# Altium PCB A8_multiple.PcbDoc (part 10 of 10)
Units mm, origin at the board's own origin, x right, y up, seen from the top; angles counter-clockwise.
Board outline 140 x 140 mm, 2 copper layers (Top Layer, Bottom Layer); 80 components, 0 nets, 928 pads, 160 vias.
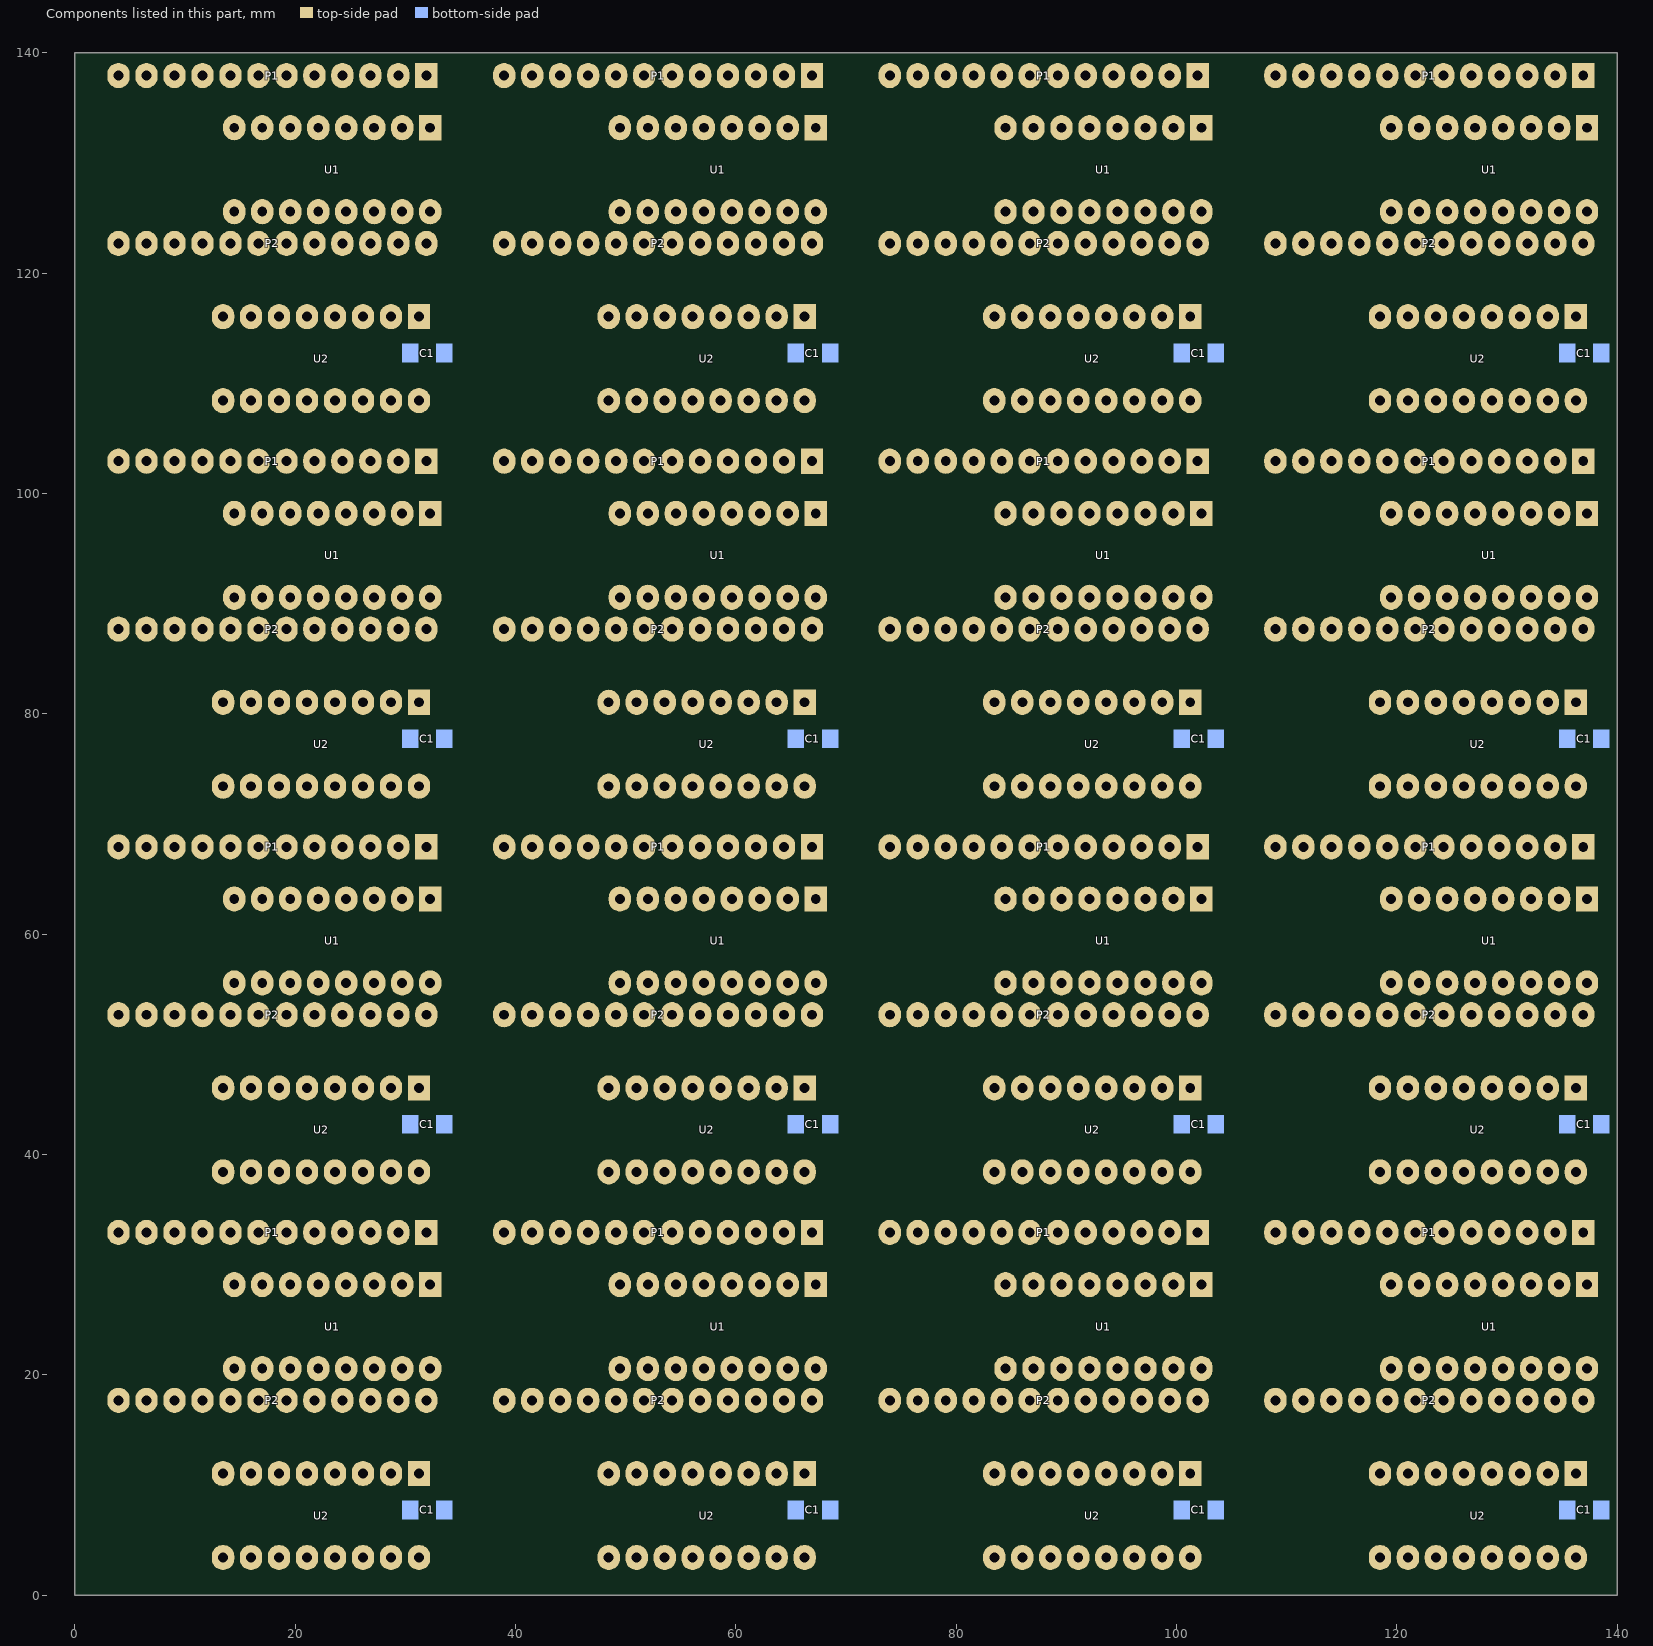
[diagram p10: the components of this part, seen from the top]

## Polygon pours and split planes (outlines as drawn) (continued)
no net on Bottom Layer "Top Layer-No Net 1" (solid, pour order 116): 70.686,7.417 70.686,20.549 70.914,20.777 70.965,20.726 70.965,19.71 70.965,6.782 71.092,6.655
no net on Bottom Layer "Top Layer-No Net 1" (solid, pour order 114): 77.442,0.686 76.731,0.686 75.817,1.6 70.686,6.731 70.686,7.417 71.041,7.417 72.235,6.223 77.493,0.965 77.645,0.965
no net on Bottom Layer "Top Layer-No Net 1" (solid, pour order 112): 91.082,28.143 91.082,28.829 91.641,29.388 91.819,29.566 91.819,29.794 91.819,31.953 91.539,32.233 92.504,31.267 92.504,30.836 92.581,30.759 92.581,28.143
no net on Bottom Layer "Top Layer-No Net 1" (solid, pour order 110): 88.136,31.191 88.72,31.191 88.999,31.471 89.736,32.207 89.736,32.283 89.609,32.283 88.974,32.918 88.263,32.207 88.263,31.623 88.263,31.572 88.009,31.318
no net on Bottom Layer "Top Layer-No Net 1" (solid, pour order 108): 84.554,31.09 85.011,31.09 85.596,31.674 85.672,31.75 85.672,32.969 87.678,32.969 87.678,32.36 87.196,31.877 86.104,30.785 85.85,30.785
no net on Bottom Layer "Top Layer-No Net 1" (solid, pour order 106): 83.487,31.674 84.427,31.674 84.859,32.106 84.554,32.41 83.919,32.41 83.589,32.41 83.462,32.283
no net on Bottom Layer "Top Layer-No Net 1" (solid, pour order 104): 80.287,30.023 82.344,32.08 82.344,32.41 81.989,32.41 81.595,32.804 80.592,31.801 80.592,31.115 80.592,31.039 80.135,30.582 80.084,30.531 80.084,30.023
no net on Bottom Layer "Top Layer-No Net 1" (solid, pour order 102): 97.686,3.404 97.686,6.248 96.238,7.696 96.111,7.823 96.111,8.077 96.67,8.077 98.905,5.842 99.718,5.029 99.718,3.378
no net on Bottom Layer "Top Layer-No Net 1" (solid, pour order 100): 95.171,3.429 95.171,6.147 94.663,6.655 94.181,7.137 94.181,7.315 95.4,7.315 96.695,6.02 97.178,5.537 97.178,3.378
no net on Bottom Layer "Top Layer-No Net 1" (solid, pour order 98): 92.631,3.48 92.631,5.334 91.717,6.248 92.022,6.553 92.2,6.553 92.86,6.553 93.597,6.553 94.333,5.817 94.638,5.512 94.638,3.429
no net on Bottom Layer "Top Layer-No Net 1" (solid, pour order 96): 20 vertices, not listed, extent 83.386,3.454 92.098,6.274
no net on Bottom Layer "Top Layer-No Net 1" (solid, pour order 94): 100.353,6.909 98.753,6.909 96.848,8.814 97.229,9.195 97.457,9.195 99.083,9.195 99.87,8.407 100.099,8.179 100.48,8.179
no net on Bottom Layer "Top Layer-No Net 1" (solid, pour order 92): 33 vertices, not listed, extent 100.226,1.676 104.138,22.657
no net on Bottom Layer "Top Layer-No Net 1" (solid, pour order 90): 100.226,11.074 100.226,13.64 99.82,14.046 98.702,15.164 98.702,15.748 98.702,16.332 98.55,16.485 98.346,16.688 98.346,17.729 100.378,17.729 100.378,15.977 101.115,15.24 102.258,14.097 102.258,10.414
no net on Bottom Layer "Top Layer-No Net 1" (solid, pour order 88): 97.737,16.18 98.118,15.799 98.118,15.392 98.118,14.707 98.473,14.351 97.838,14.986 97.559,14.986
no net on Bottom Layer "Top Layer-No Net 1" (solid, pour order 86): 97.686,10.998 97.686,14.529 97.356,14.859 97.33,14.884 97.33,15.469 95.832,16.967 95.832,17.729 97.838,17.729 97.838,15.215 98.931,14.122 99.718,13.335 99.718,11.024
no net on Bottom Layer "Top Layer-No Net 1" (solid, pour order 84): 95.146,11.049 95.146,12.878 94.968,13.056 94.46,13.564 94.46,15.037 94.46,15.215 95.298,16.053 96.111,16.053 96.441,15.723 96.873,15.291 96.873,15.265 96.873,14.757 97.076,14.554 97.178,14.453 97.178,11.074
no net on Bottom Layer "Top Layer-No Net 1" (solid, pour order 82): 17 vertices, not listed, extent 92.606,10.998 95.324,18.415
no net on Bottom Layer "Top Layer-No Net 1" (solid, pour order 80): 90.752,17.678 90.752,14.91 90.853,14.808 90.955,14.707 90.955,13.36 90.955,12.878 90.472,12.395 90.066,11.989 90.066,10.998 92.098,10.998 92.098,15.469 92.631,16.002 92.758,16.129 92.758,17.729
no net on Bottom Layer "Top Layer-No Net 1" (solid, pour order 78): 28 vertices, not listed, extent 82.446,8.611 90.549,14.681
no net on Bottom Layer "Top Layer-No Net 1" (solid, pour order 76): 87.272,15.519 88.212,16.459 88.212,17.577 90.041,17.577 90.218,17.755 90.218,16.256 89.406,15.443 89.075,15.113 88.161,15.113 87.729,15.113 87.196,14.58 86.383,13.767 85.85,13.767 85.85,13.995 85.799,14.046
no net on Bottom Layer "Top Layer-No Net 1" (solid, pour order 74): 85.672,17.704 85.672,16.078 85.215,15.621 84.605,15.011 84.605,14.656 85.494,14.656 87.196,16.358 87.678,16.84 87.678,17.78
no net on Bottom Layer "Top Layer-No Net 1" (solid, pour order 72): 82.446,15.646 83.132,16.332 83.132,17.805 85.113,17.805 85.138,17.78 85.138,16.383 84.961,16.205 84.173,15.418 82.598,15.418
no net on Bottom Layer "Top Layer-No Net 1" (solid, pour order 70): 82.598,17.729 82.598,16.383 81.582,15.367 81.151,14.935 80.668,14.935 80.643,14.961 80.643,17.78
no net on Bottom Layer "Top Layer-No Net 1" (solid, pour order 68): 83.462,2.311 82.522,2.311 80.998,3.835 76.909,7.925 76.909,8.306 76.985,8.23 77.823,8.23 78.687,8.23 79.22,7.696 81.354,5.563 82.776,5.563 83.36,5.563 84.199,4.724 84.478,4.445 84.478,3.429
no net on Bottom Layer "Top Layer-No Net 1" (solid, pour order 66): 78.687,1.524 78.001,1.524 77.874,1.651 72.057,7.468 72.057,8.128 74.191,5.994 78.407,1.778 78.788,1.778
no net on Bottom Layer "Top Layer-No Net 1" (solid, pour order 64): 84.986,3.404 84.986,2.438 84.3,1.753 84.605,1.448 85.265,1.448 86.104,1.448 86.535,1.88 87.018,2.362 87.018,3.454
no net on Bottom Layer "Top Layer-No Net 1" (solid, pour order 62): 87.526,3.454 87.526,1.829 86.942,1.245 86.688,0.991 86.332,0.991 86.332,0.965 86.612,0.686 88.263,0.686 89.482,1.905 89.558,1.981 89.558,3.454
no net on Bottom Layer "Top Layer-No Net 1" (solid, pour order 60): 70.686,19.152 70.686,20.701 71.422,21.438 72.819,21.438 73.48,22.098 73.556,22.022 73.556,21.869
no net on Bottom Layer "Top Layer-No Net 1" (solid, pour order 58): 73.433,10.033 73.785,10.033 74.115,10.363 73.734,10.744 73.734,10.77 73.404,10.77 73.099,10.465
no net on Bottom Layer "Top Layer-No Net 1" (solid, remove dead copper, pour order 56): 17 vertices, not listed, extent 72.616,10.033 74.928,20.549
no net on Bottom Layer "Top Layer-No Net 1" (solid, remove dead copper, pour order 54): 78.484,12.649 78.484,9.169 77.976,8.661 77.569,8.661 76.96,9.271 75.715,10.516 75.715,13.208 78.484,13.208
no net on Bottom Layer "Top Layer-No Net 1" (solid, remove dead copper, pour order 52): 24 vertices, not listed, extent 75.715,11.836 80.058,22.047
no net on Bottom Layer "Top Layer-No Net 1" (solid, remove dead copper, pour order 50): 96.721,30.886 97.432,30.175 97.889,30.175 97.94,30.175 98.575,29.54 98.778,29.743 99.337,29.743 99.337,29.947 97.737,31.547 97.711,31.521 96.594,31.521
no net on Bottom Layer "Top Layer-No Net 1" (solid, remove dead copper, pour order 48): 97.991,30.886 96.721,30.886 96.238,31.369 95.832,31.775 95.832,32.868 97.508,32.868 97.711,33.071 97.737,33.045 97.737,31.547 97.737,31.344 98.169,30.912
no net on Bottom Layer "Top Layer-No Net 1" (solid, remove dead copper, pour order 46): 95.654,28.194 95.654,30.886 95.324,31.217 95.298,31.242 95.298,32.868 93.393,32.868 93.317,32.944 93.317,29.997 93.597,29.718 93.622,29.693 93.622,28.169
no net on Bottom Layer "Top Layer-No Net 1" (solid, remove dead copper, pour order 44): 101.267,34.061 102.918,34.061 104.315,32.664 104.315,29.388 104.163,29.388 103.96,29.591 101.267,32.283 101.242,32.283
no net on Bottom Layer "Top Layer-No Net 1" (solid, remove dead copper, pour order 42): 75.512,31.852 75.512,30.378 76.045,29.845 76.426,29.464 76.426,31.09 76.579,31.242 76.655,31.318 76.655,32.283 75.715,32.283 75.512,32.487
no net on Bottom Layer "Top Layer-No Net 1" (solid, pour order 40): 74.978,31.572 74.978,30.734 74.724,30.48 74.623,30.378 73.505,30.378 73.505,31.318 73.962,31.775
no net on Bottom Layer "Top Layer-No Net 1" (solid, remove dead copper, pour order 38): 98.727,20.498 98.727,22.86 98.169,23.419 96.568,25.019 96.568,25.375 96.975,24.968 98.499,24.968 98.778,24.968 99.87,23.876 100.709,23.038 100.709,20.498
no net on Bottom Layer "Top Layer-No Net 1" (solid, remove dead copper, pour order 36): 96.162,20.523 96.162,23.52 94.994,24.689 94.257,25.425 94.028,25.425 94.028,25.679 94.079,25.73 94.968,25.73 96.899,23.8 98.194,22.504 98.194,20.447
no net on Bottom Layer "Top Layer-No Net 1" (solid, remove dead copper, pour order 34): 93.622,20.549 93.622,23.546 92.885,24.282 92.504,24.663 92.2,24.663 92.301,24.663 92.606,24.968 93.698,24.968 94.689,23.978 95.654,23.012 95.654,20.549
no net on Bottom Layer "Top Layer-No Net 1" (solid, remove dead copper, pour order 32): 91.082,20.549 91.082,23.089 90.32,23.851 90.269,23.901 90.269,24.206 91.869,24.206 92.835,23.241 93.114,22.962 93.114,20.625
no net on Bottom Layer "Top Layer-No Net 1" (solid, remove dead copper, pour order 30): 88.542,20.523 88.542,22.301 88.034,22.809 87.577,23.266 87.272,23.266 87.348,23.266 87.526,23.444 89.609,23.444 90.142,22.911 90.574,22.479 90.574,20.599
no net on Bottom Layer "Top Layer-No Net 1" (solid, remove dead copper, pour order 28): 86.027,20.599 86.027,21.692 85.367,22.352 85.672,22.657 85.697,22.657 86.993,22.657 87.678,21.971 88.034,21.615 88.034,20.701
no net on Bottom Layer "Top Layer-No Net 1" (solid, remove dead copper, pour order 26): 84.605,19.456 83.64,19.456 83.03,20.066 82.7,20.396 81.659,20.396 81.074,20.396 79.804,21.666 79.931,21.793 84.3,21.793 84.808,21.793 85.215,21.387 85.088,21.26 85.088,20.218
no net on Bottom Layer "Top Layer-No Net 1" (solid, remove dead copper, pour order 24): 75.842,14.199 75.766,14.122 75.486,14.122 75.512,14.148 75.512,15.011 76.299,15.011 76.553,15.265
no net on Bottom Layer "Top Layer-No Net 1" (solid, remove dead copper, pour order 22): 77.518,17.836 77.518,15.748 76.477,14.707 76.375,14.605 75.817,14.605 75.664,14.453 75.207,13.995 75.207,13.97 75.512,14.275 75.512,15.342 75.512,17.602 75.867,17.958
no net on Bottom Layer "Top Layer-No Net 1" (solid, remove dead copper, pour order 20): 77.518,17.653 77.518,18.72 76.401,19.837 76.274,19.964 76.274,21.387 76.274,21.869 77.137,22.733 76.985,22.885 76.883,22.885 76.604,22.885 75.486,21.768 75.512,21.742 75.512,17.729
no net on Bottom Layer "Top Layer-No Net 1" (solid, remove dead copper, pour order 18): 76.299,23.165 76.655,23.52 79.296,23.52 79.296,23.901 78.712,24.486 78.433,24.765 76.68,24.765 76.68,24.587 76.096,24.003
no net on Bottom Layer "Top Layer-No Net 1" (solid, remove dead copper, pour order 16): 23 vertices, not listed, extent 73.226,22.301 75.664,29.845
no net on Bottom Layer "Top Layer-No Net 1" (solid, remove dead copper, pour order 14): 24 vertices, not listed, extent 70.686,22.123 74.978,34.061
no net on Bottom Layer "Top Layer-No Net 1" (solid, remove dead copper, pour order 12): 26 vertices, not listed, extent 75.512,22.276 81.252,32.944
no net on Bottom Layer "Top Layer-No Net 1" (solid, remove dead copper, pour order 10): 19 vertices, not listed, extent 77.264,25.756 79.855,33.172
no net on Bottom Layer "Top Layer-No Net 1" (solid, remove dead copper, pour order 8): 26 vertices, not listed, extent 83.411,27.076 91.311,31.344
no net on Bottom Layer "Top Layer-No Net 1" (solid, remove dead copper, pour order 6): 18 vertices, not listed, extent 98.702,28.829 103.122,32.969
no net on Bottom Layer "Top Layer-No Net 1" (solid, remove dead copper, pour order 4): 96.213,27.94 96.213,27.127 97.457,25.883 97.483,25.857 99.54,25.857 99.54,26.238 99.489,26.289 98.804,26.289 98.321,26.772 98.169,26.924 98.169,28.245 96.772,28.245 96.619,28.397
no net on Bottom Layer "Top Layer-No Net 1" (solid, remove dead copper, pour order 2): 91.946,31.267 91.057,32.156 91.057,32.918 92.657,32.918 92.758,33.02 92.758,29.489 92.835,29.413 93.114,29.134 93.114,28.143 92.581,28.143 91.971,28.753 91.844,28.88 91.844,29.997 91.844,30.15 92.022,30.328
no net on Bottom Layer "Top Layer-No Net 1" (solid, pour order 116): 35.686,7.417 35.686,20.549 35.914,20.777 35.965,20.726 35.965,19.71 35.965,6.782 36.092,6.655
no net on Bottom Layer "Top Layer-No Net 1" (solid, pour order 114): 42.442,0.686 41.731,0.686 40.817,1.6 35.686,6.731 35.686,7.417 36.041,7.417 37.235,6.223 42.493,0.965 42.645,0.965
no net on Bottom Layer "Top Layer-No Net 1" (solid, pour order 112): 56.082,28.143 56.082,28.829 56.641,29.388 56.819,29.566 56.819,29.794 56.819,31.953 56.539,32.233 57.504,31.267 57.504,30.836 57.581,30.759 57.581,28.143
no net on Bottom Layer "Top Layer-No Net 1" (solid, pour order 110): 53.136,31.191 53.72,31.191 53.999,31.471 54.736,32.207 54.736,32.283 54.609,32.283 53.974,32.918 53.263,32.207 53.263,31.623 53.263,31.572 53.009,31.318
no net on Bottom Layer "Top Layer-No Net 1" (solid, pour order 108): 49.554,31.09 50.011,31.09 50.596,31.674 50.672,31.75 50.672,32.969 52.678,32.969 52.678,32.36 52.196,31.877 51.104,30.785 50.85,30.785
no net on Bottom Layer "Top Layer-No Net 1" (solid, pour order 106): 48.487,31.674 49.427,31.674 49.859,32.106 49.554,32.41 48.919,32.41 48.589,32.41 48.462,32.283
no net on Bottom Layer "Top Layer-No Net 1" (solid, pour order 104): 45.287,30.023 47.344,32.08 47.344,32.41 46.989,32.41 46.595,32.804 45.592,31.801 45.592,31.115 45.592,31.039 45.135,30.582 45.084,30.531 45.084,30.023
no net on Bottom Layer "Top Layer-No Net 1" (solid, pour order 102): 62.686,3.404 62.686,6.248 61.238,7.696 61.111,7.823 61.111,8.077 61.67,8.077 63.905,5.842 64.718,5.029 64.718,3.378
no net on Bottom Layer "Top Layer-No Net 1" (solid, pour order 100): 60.171,3.429 60.171,6.147 59.663,6.655 59.181,7.137 59.181,7.315 60.4,7.315 61.695,6.02 62.178,5.537 62.178,3.378
no net on Bottom Layer "Top Layer-No Net 1" (solid, pour order 98): 57.631,3.48 57.631,5.334 56.717,6.248 57.022,6.553 57.2,6.553 57.86,6.553 58.597,6.553 59.333,5.817 59.638,5.512 59.638,3.429
no net on Bottom Layer "Top Layer-No Net 1" (solid, pour order 96): 20 vertices, not listed, extent 48.386,3.454 57.098,6.274
no net on Bottom Layer "Top Layer-No Net 1" (solid, pour order 94): 65.353,6.909 63.753,6.909 61.848,8.814 62.229,9.195 62.457,9.195 64.083,9.195 64.87,8.407 65.099,8.179 65.48,8.179
no net on Bottom Layer "Top Layer-No Net 1" (solid, pour order 92): 33 vertices, not listed, extent 65.226,1.676 69.138,22.657
no net on Bottom Layer "Top Layer-No Net 1" (solid, pour order 90): 65.226,11.074 65.226,13.64 64.82,14.046 63.702,15.164 63.702,15.748 63.702,16.332 63.55,16.485 63.346,16.688 63.346,17.729 65.378,17.729 65.378,15.977 66.115,15.24 67.258,14.097 67.258,10.414
no net on Bottom Layer "Top Layer-No Net 1" (solid, pour order 88): 62.737,16.18 63.118,15.799 63.118,15.392 63.118,14.707 63.473,14.351 62.838,14.986 62.559,14.986
no net on Bottom Layer "Top Layer-No Net 1" (solid, pour order 86): 62.686,10.998 62.686,14.529 62.356,14.859 62.33,14.884 62.33,15.469 60.832,16.967 60.832,17.729 62.838,17.729 62.838,15.215 63.931,14.122 64.718,13.335 64.718,11.024
no net on Bottom Layer "Top Layer-No Net 1" (solid, pour order 84): 60.146,11.049 60.146,12.878 59.968,13.056 59.46,13.564 59.46,15.037 59.46,15.215 60.298,16.053 61.111,16.053 61.441,15.723 61.873,15.291 61.873,15.265 61.873,14.757 62.076,14.554 62.178,14.453 62.178,11.074
no net on Bottom Layer "Top Layer-No Net 1" (solid, pour order 82): 17 vertices, not listed, extent 57.606,10.998 60.324,18.415
no net on Bottom Layer "Top Layer-No Net 1" (solid, pour order 80): 55.752,17.678 55.752,14.91 55.853,14.808 55.955,14.707 55.955,13.36 55.955,12.878 55.472,12.395 55.066,11.989 55.066,10.998 57.098,10.998 57.098,15.469 57.631,16.002 57.758,16.129 57.758,17.729
no net on Bottom Layer "Top Layer-No Net 1" (solid, pour order 78): 28 vertices, not listed, extent 47.446,8.611 55.549,14.681
no net on Bottom Layer "Top Layer-No Net 1" (solid, pour order 76): 52.272,15.519 53.212,16.459 53.212,17.577 55.041,17.577 55.218,17.755 55.218,16.256 54.406,15.443 54.075,15.113 53.161,15.113 52.729,15.113 52.196,14.58 51.383,13.767 50.85,13.767 50.85,13.995 50.799,14.046
no net on Bottom Layer "Top Layer-No Net 1" (solid, pour order 74): 50.672,17.704 50.672,16.078 50.215,15.621 49.605,15.011 49.605,14.656 50.494,14.656 52.196,16.358 52.678,16.84 52.678,17.78
no net on Bottom Layer "Top Layer-No Net 1" (solid, pour order 72): 47.446,15.646 48.132,16.332 48.132,17.805 50.113,17.805 50.138,17.78 50.138,16.383 49.961,16.205 49.173,15.418 47.598,15.418
no net on Bottom Layer "Top Layer-No Net 1" (solid, pour order 70): 47.598,17.729 47.598,16.383 46.582,15.367 46.151,14.935 45.668,14.935 45.643,14.961 45.643,17.78
no net on Bottom Layer "Top Layer-No Net 1" (solid, pour order 68): 48.462,2.311 47.522,2.311 45.998,3.835 41.909,7.925 41.909,8.306 41.985,8.23 42.823,8.23 43.687,8.23 44.22,7.696 46.354,5.563 47.776,5.563 48.36,5.563 49.199,4.724 49.478,4.445 49.478,3.429
no net on Bottom Layer "Top Layer-No Net 1" (solid, pour order 66): 43.687,1.524 43.001,1.524 42.874,1.651 37.057,7.468 37.057,8.128 39.191,5.994 43.407,1.778 43.788,1.778
no net on Bottom Layer "Top Layer-No Net 1" (solid, pour order 64): 49.986,3.404 49.986,2.438 49.3,1.753 49.605,1.448 50.265,1.448 51.104,1.448 51.535,1.88 52.018,2.362 52.018,3.454
no net on Bottom Layer "Top Layer-No Net 1" (solid, pour order 62): 52.526,3.454 52.526,1.829 51.942,1.245 51.688,0.991 51.332,0.991 51.332,0.965 51.612,0.686 53.263,0.686 54.482,1.905 54.558,1.981 54.558,3.454
no net on Bottom Layer "Top Layer-No Net 1" (solid, pour order 60): 35.686,19.152 35.686,20.701 36.422,21.438 37.819,21.438 38.48,22.098 38.556,22.022 38.556,21.869
no net on Bottom Layer "Top Layer-No Net 1" (solid, pour order 58): 38.433,10.033 38.785,10.033 39.115,10.363 38.734,10.744 38.734,10.77 38.404,10.77 38.099,10.465
no net on Bottom Layer "Top Layer-No Net 1" (solid, remove dead copper, pour order 56): 17 vertices, not listed, extent 37.616,10.033 39.928,20.549
no net on Bottom Layer "Top Layer-No Net 1" (solid, remove dead copper, pour order 54): 43.484,12.649 43.484,9.169 42.976,8.661 42.569,8.661 41.96,9.271 40.715,10.516 40.715,13.208 43.484,13.208
no net on Bottom Layer "Top Layer-No Net 1" (solid, remove dead copper, pour order 52): 24 vertices, not listed, extent 40.715,11.836 45.058,22.047
no net on Bottom Layer "Top Layer-No Net 1" (solid, remove dead copper, pour order 50): 61.721,30.886 62.432,30.175 62.889,30.175 62.94,30.175 63.575,29.54 63.778,29.743 64.337,29.743 64.337,29.947 62.737,31.547 62.711,31.521 61.594,31.521
no net on Bottom Layer "Top Layer-No Net 1" (solid, remove dead copper, pour order 48): 62.991,30.886 61.721,30.886 61.238,31.369 60.832,31.775 60.832,32.868 62.508,32.868 62.711,33.071 62.737,33.045 62.737,31.547 62.737,31.344 63.169,30.912
no net on Bottom Layer "Top Layer-No Net 1" (solid, remove dead copper, pour order 46): 60.654,28.194 60.654,30.886 60.324,31.217 60.298,31.242 60.298,32.868 58.393,32.868 58.317,32.944 58.317,29.997 58.597,29.718 58.622,29.693 58.622,28.169
no net on Bottom Layer "Top Layer-No Net 1" (solid, remove dead copper, pour order 44): 66.267,34.061 67.918,34.061 69.315,32.664 69.315,29.388 69.163,29.388 68.96,29.591 66.267,32.283 66.242,32.283
no net on Bottom Layer "Top Layer-No Net 1" (solid, remove dead copper, pour order 42): 40.512,31.852 40.512,30.378 41.045,29.845 41.426,29.464 41.426,31.09 41.579,31.242 41.655,31.318 41.655,32.283 40.715,32.283 40.512,32.487
no net on Bottom Layer "Top Layer-No Net 1" (solid, pour order 40): 39.978,31.572 39.978,30.734 39.724,30.48 39.623,30.378 38.505,30.378 38.505,31.318 38.962,31.775
no net on Bottom Layer "Top Layer-No Net 1" (solid, remove dead copper, pour order 38): 63.727,20.498 63.727,22.86 63.169,23.419 61.568,25.019 61.568,25.375 61.975,24.968 63.499,24.968 63.778,24.968 64.87,23.876 65.709,23.038 65.709,20.498
no net on Bottom Layer "Top Layer-No Net 1" (solid, remove dead copper, pour order 36): 61.162,20.523 61.162,23.52 59.994,24.689 59.257,25.425 59.028,25.425 59.028,25.679 59.079,25.73 59.968,25.73 61.899,23.8 63.194,22.504 63.194,20.447
no net on Bottom Layer "Top Layer-No Net 1" (solid, remove dead copper, pour order 34): 58.622,20.549 58.622,23.546 57.885,24.282 57.504,24.663 57.2,24.663 57.301,24.663 57.606,24.968 58.698,24.968 59.689,23.978 60.654,23.012 60.654,20.549
no net on Bottom Layer "Top Layer-No Net 1" (solid, remove dead copper, pour order 32): 56.082,20.549 56.082,23.089 55.32,23.851 55.269,23.901 55.269,24.206 56.869,24.206 57.835,23.241 58.114,22.962 58.114,20.625
no net on Bottom Layer "Top Layer-No Net 1" (solid, remove dead copper, pour order 30): 53.542,20.523 53.542,22.301 53.034,22.809 52.577,23.266 52.272,23.266 52.348,23.266 52.526,23.444 54.609,23.444 55.142,22.911 55.574,22.479 55.574,20.599
no net on Bottom Layer "Top Layer-No Net 1" (solid, remove dead copper, pour order 28): 51.027,20.599 51.027,21.692 50.367,22.352 50.672,22.657 50.697,22.657 51.993,22.657 52.678,21.971 53.034,21.615 53.034,20.701
no net on Bottom Layer "Top Layer-No Net 1" (solid, remove dead copper, pour order 26): 49.605,19.456 48.64,19.456 48.03,20.066 47.7,20.396 46.659,20.396 46.074,20.396 44.804,21.666 44.931,21.793 49.3,21.793 49.808,21.793 50.215,21.387 50.088,21.26 50.088,20.218
no net on Bottom Layer "Top Layer-No Net 1" (solid, remove dead copper, pour order 24): 40.842,14.199 40.766,14.122 40.486,14.122 40.512,14.148 40.512,15.011 41.299,15.011 41.553,15.265
no net on Bottom Layer "Top Layer-No Net 1" (solid, remove dead copper, pour order 22): 42.518,17.836 42.518,15.748 41.477,14.707 41.375,14.605 40.817,14.605 40.664,14.453 40.207,13.995 40.207,13.97 40.512,14.275 40.512,15.342 40.512,17.602 40.867,17.958
no net on Bottom Layer "Top Layer-No Net 1" (solid, remove dead copper, pour order 20): 42.518,17.653 42.518,18.72 41.401,19.837 41.274,19.964 41.274,21.387 41.274,21.869 42.137,22.733 41.985,22.885 41.883,22.885 41.604,22.885 40.486,21.768 40.512,21.742 40.512,17.729
no net on Bottom Layer "Top Layer-No Net 1" (solid, remove dead copper, pour order 18): 41.299,23.165 41.655,23.52 44.296,23.52 44.296,23.901 43.712,24.486 43.433,24.765 41.68,24.765 41.68,24.587 41.096,24.003
no net on Bottom Layer "Top Layer-No Net 1" (solid, remove dead copper, pour order 16): 23 vertices, not listed, extent 38.226,22.301 40.664,29.845
no net on Bottom Layer "Top Layer-No Net 1" (solid, remove dead copper, pour order 14): 24 vertices, not listed, extent 35.686,22.123 39.978,34.061
no net on Bottom Layer "Top Layer-No Net 1" (solid, remove dead copper, pour order 12): 26 vertices, not listed, extent 40.512,22.276 46.252,32.944
no net on Bottom Layer "Top Layer-No Net 1" (solid, remove dead copper, pour order 10): 19 vertices, not listed, extent 42.264,25.756 44.855,33.172
no net on Bottom Layer "Top Layer-No Net 1" (solid, remove dead copper, pour order 8): 26 vertices, not listed, extent 48.411,27.076 56.311,31.344
no net on Bottom Layer "Top Layer-No Net 1" (solid, remove dead copper, pour order 6): 18 vertices, not listed, extent 63.702,28.829 68.122,32.969
no net on Bottom Layer "Top Layer-No Net 1" (solid, remove dead copper, pour order 4): 61.213,27.94 61.213,27.127 62.457,25.883 62.483,25.857 64.54,25.857 64.54,26.238 64.489,26.289 63.804,26.289 63.321,26.772 63.169,26.924 63.169,28.245 61.772,28.245 61.619,28.397
no net on Bottom Layer "Top Layer-No Net 1" (solid, remove dead copper, pour order 2): 56.946,31.267 56.057,32.156 56.057,32.918 57.657,32.918 57.758,33.02 57.758,29.489 57.835,29.413 58.114,29.134 58.114,28.143 57.581,28.143 56.971,28.753 56.844,28.88 56.844,29.997 56.844,30.15 57.022,30.328
no net on Bottom Layer "Top Layer-No Net 1" (solid, pour order 116): 0.686,7.417 0.686,20.549 0.914,20.777 0.965,20.726 0.965,19.71 0.965,6.782 1.092,6.655
no net on Bottom Layer "Top Layer-No Net 1" (solid, pour order 114): 7.442,0.686 6.731,0.686 5.817,1.6 0.686,6.731 0.686,7.417 1.041,7.417 2.235,6.223 7.493,0.965 7.645,0.965
no net on Bottom Layer "Top Layer-No Net 1" (solid, pour order 112): 21.082,28.143 21.082,28.829 21.641,29.388 21.819,29.566 21.819,29.794 21.819,31.953 21.539,32.233 22.504,31.267 22.504,30.836 22.581,30.759 22.581,28.143
no net on Bottom Layer "Top Layer-No Net 1" (solid, pour order 110): 18.136,31.191 18.72,31.191 18.999,31.471 19.736,32.207 19.736,32.283 19.609,32.283 18.974,32.918 18.263,32.207 18.263,31.623 18.263,31.572 18.009,31.318
no net on Bottom Layer "Top Layer-No Net 1" (solid, pour order 108): 14.554,31.09 15.011,31.09 15.596,31.674 15.672,31.75 15.672,32.969 17.678,32.969 17.678,32.36 17.196,31.877 16.104,30.785 15.85,30.785
no net on Bottom Layer "Top Layer-No Net 1" (solid, pour order 106): 13.487,31.674 14.427,31.674 14.859,32.106 14.554,32.41 13.919,32.41 13.589,32.41 13.462,32.283
no net on Bottom Layer "Top Layer-No Net 1" (solid, pour order 104): 10.287,30.023 12.344,32.08 12.344,32.41 11.989,32.41 11.595,32.804 10.592,31.801 10.592,31.115 10.592,31.039 10.135,30.582 10.084,30.531 10.084,30.023
no net on Bottom Layer "Top Layer-No Net 1" (solid, pour order 102): 27.686,3.404 27.686,6.248 26.238,7.696 26.111,7.823 26.111,8.077 26.67,8.077 28.905,5.842 29.718,5.029 29.718,3.378
no net on Bottom Layer "Top Layer-No Net 1" (solid, pour order 100): 25.171,3.429 25.171,6.147 24.663,6.655 24.181,7.137 24.181,7.315 25.4,7.315 26.695,6.02 27.178,5.537 27.178,3.378
no net on Bottom Layer "Top Layer-No Net 1" (solid, pour order 98): 22.631,3.48 22.631,5.334 21.717,6.248 22.022,6.553 22.2,6.553 22.86,6.553 23.597,6.553 24.333,5.817 24.638,5.512 24.638,3.429
no net on Bottom Layer "Top Layer-No Net 1" (solid, pour order 96): 20 vertices, not listed, extent 13.386,3.454 22.098,6.274
no net on Bottom Layer "Top Layer-No Net 1" (solid, pour order 94): 30.353,6.909 28.753,6.909 26.848,8.814 27.229,9.195 27.457,9.195 29.083,9.195 29.87,8.407 30.099,8.179 30.48,8.179
no net on Bottom Layer "Top Layer-No Net 1" (solid, pour order 92): 33 vertices, not listed, extent 30.226,1.676 34.138,22.657
no net on Bottom Layer "Top Layer-No Net 1" (solid, pour order 90): 30.226,11.074 30.226,13.64 29.82,14.046 28.702,15.164 28.702,15.748 28.702,16.332 28.55,16.485 28.346,16.688 28.346,17.729 30.378,17.729 30.378,15.977 31.115,15.24 32.258,14.097 32.258,10.414
no net on Bottom Layer "Top Layer-No Net 1" (solid, pour order 88): 27.737,16.18 28.118,15.799 28.118,15.392 28.118,14.707 28.473,14.351 27.838,14.986 27.559,14.986
no net on Bottom Layer "Top Layer-No Net 1" (solid, pour order 86): 27.686,10.998 27.686,14.529 27.356,14.859 27.33,14.884 27.33,15.469 25.832,16.967 25.832,17.729 27.838,17.729 27.838,15.215 28.931,14.122 29.718,13.335 29.718,11.024
no net on Bottom Layer "Top Layer-No Net 1" (solid, pour order 84): 25.146,11.049 25.146,12.878 24.968,13.056 24.46,13.564 24.46,15.037 24.46,15.215 25.298,16.053 26.111,16.053 26.441,15.723 26.873,15.291 26.873,15.265 26.873,14.757 27.076,14.554 27.178,14.453 27.178,11.074
no net on Bottom Layer "Top Layer-No Net 1" (solid, pour order 82): 17 vertices, not listed, extent 22.606,10.998 25.324,18.415
no net on Bottom Layer "Top Layer-No Net 1" (solid, pour order 80): 20.752,17.678 20.752,14.91 20.853,14.808 20.955,14.707 20.955,13.36 20.955,12.878 20.472,12.395 20.066,11.989 20.066,10.998 22.098,10.998 22.098,15.469 22.631,16.002 22.758,16.129 22.758,17.729
no net on Bottom Layer "Top Layer-No Net 1" (solid, pour order 78): 28 vertices, not listed, extent 12.446,8.611 20.549,14.681
no net on Bottom Layer "Top Layer-No Net 1" (solid, pour order 76): 17.272,15.519 18.212,16.459 18.212,17.577 20.041,17.577 20.218,17.755 20.218,16.256 19.406,15.443 19.075,15.113 18.161,15.113 17.729,15.113 17.196,14.58 16.383,13.767 15.85,13.767 15.85,13.995 15.799,14.046
no net on Bottom Layer "Top Layer-No Net 1" (solid, pour order 74): 15.672,17.704 15.672,16.078 15.215,15.621 14.605,15.011 14.605,14.656 15.494,14.656 17.196,16.358 17.678,16.84 17.678,17.78
no net on Bottom Layer "Top Layer-No Net 1" (solid, pour order 72): 12.446,15.646 13.132,16.332 13.132,17.805 15.113,17.805 15.138,17.78 15.138,16.383 14.961,16.205 14.173,15.418 12.598,15.418
no net on Bottom Layer "Top Layer-No Net 1" (solid, pour order 70): 12.598,17.729 12.598,16.383 11.582,15.367 11.151,14.935 10.668,14.935 10.643,14.961 10.643,17.78
no net on Bottom Layer "Top Layer-No Net 1" (solid, pour order 68): 13.462,2.311 12.522,2.311 10.998,3.835 6.909,7.925 6.909,8.306 6.985,8.23 7.823,8.23 8.687,8.23 9.22,7.696 11.354,5.563 12.776,5.563 13.36,5.563 14.199,4.724 14.478,4.445 14.478,3.429
no net on Bottom Layer "Top Layer-No Net 1" (solid, pour order 66): 8.687,1.524 8.001,1.524 7.874,1.651 2.057,7.468 2.057,8.128 4.191,5.994 8.407,1.778 8.788,1.778
no net on Bottom Layer "Top Layer-No Net 1" (solid, pour order 64): 14.986,3.404 14.986,2.438 14.3,1.753 14.605,1.448 15.265,1.448 16.104,1.448 16.535,1.88 17.018,2.362 17.018,3.454
no net on Bottom Layer "Top Layer-No Net 1" (solid, pour order 62): 17.526,3.454 17.526,1.829 16.942,1.245 16.688,0.991 16.332,0.991 16.332,0.965 16.612,0.686 18.263,0.686 19.482,1.905 19.558,1.981 19.558,3.454
no net on Bottom Layer "Top Layer-No Net 1" (solid, pour order 60): 0.686,19.152 0.686,20.701 1.422,21.438 2.819,21.438 3.48,22.098 3.556,22.022 3.556,21.869
no net on Bottom Layer "Top Layer-No Net 1" (solid, pour order 58): 3.433,10.033 3.785,10.033 4.115,10.363 3.734,10.744 3.734,10.77 3.404,10.77 3.099,10.465
no net on Bottom Layer "Top Layer-No Net 1" (solid, remove dead copper, pour order 56): 17 vertices, not listed, extent 2.616,10.033 4.928,20.549
no net on Bottom Layer "Top Layer-No Net 1" (solid, remove dead copper, pour order 54): 8.484,12.649 8.484,9.169 7.976,8.661 7.569,8.661 6.96,9.271 5.715,10.516 5.715,13.208 8.484,13.208
no net on Bottom Layer "Top Layer-No Net 1" (solid, remove dead copper, pour order 52): 24 vertices, not listed, extent 5.715,11.836 10.058,22.047
no net on Bottom Layer "Top Layer-No Net 1" (solid, remove dead copper, pour order 50): 26.721,30.886 27.432,30.175 27.889,30.175 27.94,30.175 28.575,29.54 28.778,29.743 29.337,29.743 29.337,29.947 27.737,31.547 27.711,31.521 26.594,31.521
no net on Bottom Layer "Top Layer-No Net 1" (solid, remove dead copper, pour order 48): 27.991,30.886 26.721,30.886 26.238,31.369 25.832,31.775 25.832,32.868 27.508,32.868 27.711,33.071 27.737,33.045 27.737,31.547 27.737,31.344 28.169,30.912
no net on Bottom Layer "Top Layer-No Net 1" (solid, remove dead copper, pour order 46): 25.654,28.194 25.654,30.886 25.324,31.217 25.298,31.242 25.298,32.868 23.393,32.868 23.317,32.944 23.317,29.997 23.597,29.718 23.622,29.693 23.622,28.169
no net on Bottom Layer "Top Layer-No Net 1" (solid, remove dead copper, pour order 44): 31.267,34.061 32.918,34.061 34.315,32.664 34.315,29.388 34.163,29.388 33.96,29.591 31.267,32.283 31.242,32.283
no net on Bottom Layer "Top Layer-No Net 1" (solid, remove dead copper, pour order 42): 5.512,31.852 5.512,30.378 6.045,29.845 6.426,29.464 6.426,31.09 6.579,31.242 6.655,31.318 6.655,32.283 5.715,32.283 5.512,32.487
no net on Bottom Layer "Top Layer-No Net 1" (solid, pour order 40): 4.978,31.572 4.978,30.734 4.724,30.48 4.623,30.378 3.505,30.378 3.505,31.318 3.962,31.775
no net on Bottom Layer "Top Layer-No Net 1" (solid, remove dead copper, pour order 38): 28.727,20.498 28.727,22.86 28.169,23.419 26.568,25.019 26.568,25.375 26.975,24.968 28.499,24.968 28.778,24.968 29.87,23.876 30.709,23.038 30.709,20.498
no net on Bottom Layer "Top Layer-No Net 1" (solid, remove dead copper, pour order 36): 26.162,20.523 26.162,23.52 24.994,24.689 24.257,25.425 24.028,25.425 24.028,25.679 24.079,25.73 24.968,25.73 26.899,23.8 28.194,22.504 28.194,20.447
no net on Bottom Layer "Top Layer-No Net 1" (solid, remove dead copper, pour order 34): 23.622,20.549 23.622,23.546 22.885,24.282 22.504,24.663 22.2,24.663 22.301,24.663 22.606,24.968 23.698,24.968 24.689,23.978 25.654,23.012 25.654,20.549
no net on Bottom Layer "Top Layer-No Net 1" (solid, remove dead copper, pour order 32): 21.082,20.549 21.082,23.089 20.32,23.851 20.269,23.901 20.269,24.206 21.869,24.206 22.835,23.241 23.114,22.962 23.114,20.625
no net on Bottom Layer "Top Layer-No Net 1" (solid, remove dead copper, pour order 30): 18.542,20.523 18.542,22.301 18.034,22.809 17.577,23.266 17.272,23.266 17.348,23.266 17.526,23.444 19.609,23.444 20.142,22.911 20.574,22.479 20.574,20.599
no net on Bottom Layer "Top Layer-No Net 1" (solid, remove dead copper, pour order 28): 16.027,20.599 16.027,21.692 15.367,22.352 15.672,22.657 15.697,22.657 16.993,22.657 17.678,21.971 18.034,21.615 18.034,20.701
no net on Bottom Layer "Top Layer-No Net 1" (solid, remove dead copper, pour order 26): 14.605,19.456 13.64,19.456 13.03,20.066 12.7,20.396 11.659,20.396 11.074,20.396 9.804,21.666 9.931,21.793 14.3,21.793 14.808,21.793 15.215,21.387 15.088,21.26 15.088,20.218
no net on Bottom Layer "Top Layer-No Net 1" (solid, remove dead copper, pour order 24): 5.842,14.199 5.766,14.122 5.486,14.122 5.512,14.148 5.512,15.011 6.299,15.011 6.553,15.265
no net on Bottom Layer "Top Layer-No Net 1" (solid, remove dead copper, pour order 22): 7.518,17.836 7.518,15.748 6.477,14.707 6.375,14.605 5.817,14.605 5.664,14.453 5.207,13.995 5.207,13.97 5.512,14.275 5.512,15.342 5.512,17.602 5.867,17.958
no net on Bottom Layer "Top Layer-No Net 1" (solid, remove dead copper, pour order 20): 7.518,17.653 7.518,18.72 6.401,19.837 6.274,19.964 6.274,21.387 6.274,21.869 7.137,22.733 6.985,22.885 6.883,22.885 6.604,22.885 5.486,21.768 5.512,21.742 5.512,17.729
no net on Bottom Layer "Top Layer-No Net 1" (solid, remove dead copper, pour order 18): 6.299,23.165 6.655,23.52 9.296,23.52 9.296,23.901 8.712,24.486 8.433,24.765 6.68,24.765 6.68,24.587 6.096,24.003
no net on Bottom Layer "Top Layer-No Net 1" (solid, remove dead copper, pour order 16): 23 vertices, not listed, extent 3.226,22.301 5.664,29.845
no net on Bottom Layer "Top Layer-No Net 1" (solid, remove dead copper, pour order 14): 24 vertices, not listed, extent 0.686,22.123 4.978,34.061
no net on Bottom Layer "Top Layer-No Net 1" (solid, remove dead copper, pour order 12): 26 vertices, not listed, extent 5.512,22.276 11.252,32.944
no net on Bottom Layer "Top Layer-No Net 1" (solid, remove dead copper, pour order 10): 19 vertices, not listed, extent 7.264,25.756 9.855,33.172
no net on Bottom Layer "Top Layer-No Net 1" (solid, remove dead copper, pour order 8): 26 vertices, not listed, extent 13.411,27.076 21.311,31.344
no net on Bottom Layer "Top Layer-No Net 1" (solid, remove dead copper, pour order 6): 18 vertices, not listed, extent 28.702,28.829 33.122,32.969
no net on Bottom Layer "Top Layer-No Net 1" (solid, remove dead copper, pour order 4): 26.213,27.94 26.213,27.127 27.457,25.883 27.483,25.857 29.54,25.857 29.54,26.238 29.489,26.289 28.804,26.289 28.321,26.772 28.169,26.924 28.169,28.245 26.772,28.245 26.619,28.397
no net on Bottom Layer "Top Layer-No Net 1" (solid, remove dead copper, pour order 2): 21.946,31.267 21.057,32.156 21.057,32.918 22.657,32.918 22.758,33.02 22.758,29.489 22.835,29.413 23.114,29.134 23.114,28.143 22.581,28.143 21.971,28.753 21.844,28.88 21.844,29.997 21.844,30.15 22.022,30.328

## Keep-outs
Keep-Out Layer:
  lines w0.254: 0,0 35,0 ; 0,0 0,35 ; 0,0 0,140 ; 0,0 140,0 ; 0,35 35,35 ; 0,35 0,70 ; 0,35 35,35 ; 0,70 35,70 ; 0,70 0,105 ; 0,70 35,70 ; 0,105 35,105 ; 0,105 0,140 ; 0,105 35,105 ; 0,140 35,140 ; 0,140 140,140 ; 35,0 70,0 ; 35,0 35,35 ; 35,0 35,35 ; 35,35 70,35 ; 35,35 35,70 ; 35,35 35,70 ; 35,35 70,35 ; 35,70 70,70 ; 35,70 35,105 ; 35,70 35,105 ; 35,70 70,70 ; 35,105 70,105 ; 35,105 35,140 ; 35,105 35,140 ; 35,105 70,105 ; 35,140 70,140 ; 70,0 105,0 ; 70,0 70,35 ; 70,0 70,35 ; 70,35 105,35 ; 70,35 70,70 ; 70,35 70,70 ; 70,35 105,35 ; 70,70 105,70 ; 70,70 70,105 ; 70,70 70,105 ; 70,70 105,70 ; 70,105 105,105 ; 70,105 70,140 ; 70,105 70,140 ; 70,105 105,105 ; 70,140 105,140 ; 105,0 140,0 ; 105,0 105,35 ; 105,0 105,35 ; 105,35 140,35 ; 105,35 105,70 ; 105,35 105,70 ; 105,35 140,35 ; 105,70 140,70 ; 105,70 105,105 ; 105,70 105,105 ; 105,70 140,70 ; 105,105 140,105 ; 105,105 105,140 ; 105,105 105,140 ; 105,105 140,105 ; 105,140 140,140 ; 140,0 140,35 ; 140,0 140,140 ; 140,35 140,70 ; 140,70 140,105 ; 140,105 140,140

## Other copper
Bottom Layer:
  text "A8" at 33.528,128.749 h1.27
  text "A8" at 68.528,128.749 h1.27
  text "A8" at 103.528,128.749 h1.27
  text "A8" at 138.528,128.749 h1.27
  text "SIMCONS" at 9.195,107.642 h1.27 r315
  text "SIMCONS" at 44.195,107.642 h1.27 r315
  text "SIMCONS" at 79.195,107.642 h1.27 r315
  text "SIMCONS" at 114.195,107.642 h1.27 r315
  text "v1.0" at 3.81,105.762 h1.27 r315
  text "v1.0" at 38.81,105.762 h1.27 r315
  text "v1.0" at 73.81,105.762 h1.27 r315
  text "v1.0" at 108.81,105.762 h1.27 r315
  text "A8" at 33.528,93.749 h1.27
  text "A8" at 68.528,93.749 h1.27
  text "A8" at 103.528,93.749 h1.27
  text "A8" at 138.528,93.749 h1.27
  text "SIMCONS" at 9.195,72.642 h1.27 r315
  text "SIMCONS" at 44.195,72.642 h1.27 r315
  text "SIMCONS" at 79.195,72.642 h1.27 r315
  text "SIMCONS" at 114.195,72.642 h1.27 r315
  text "v1.0" at 3.81,70.762 h1.27 r315
  text "v1.0" at 38.81,70.762 h1.27 r315
  text "v1.0" at 73.81,70.762 h1.27 r315
  text "v1.0" at 108.81,70.762 h1.27 r315
  text "A8" at 33.528,58.749 h1.27
  text "A8" at 68.528,58.749 h1.27
  text "A8" at 103.528,58.749 h1.27
  text "A8" at 138.528,58.749 h1.27
  text "SIMCONS" at 9.195,37.642 h1.27 r315
  text "SIMCONS" at 44.195,37.642 h1.27 r315
  text "SIMCONS" at 79.195,37.642 h1.27 r315
  text "SIMCONS" at 114.195,37.642 h1.27 r315
  text "v1.0" at 3.81,35.762 h1.27 r315
  text "v1.0" at 38.81,35.762 h1.27 r315
  text "v1.0" at 73.81,35.762 h1.27 r315
  text "v1.0" at 108.81,35.762 h1.27 r315
  text "A8" at 33.528,23.749 h1.27
  text "A8" at 68.528,23.749 h1.27
  text "A8" at 103.528,23.749 h1.27
  text "A8" at 138.528,23.749 h1.27
  text "SIMCONS" at 9.195,2.642 h1.27 r315
  text "SIMCONS" at 44.195,2.642 h1.27 r315
  text "SIMCONS" at 79.195,2.642 h1.27 r315
  text "SIMCONS" at 114.195,2.642 h1.27 r315
  text "v1.0" at 3.81,0.762 h1.27 r315
  text "v1.0" at 38.81,0.762 h1.27 r315
  text "v1.0" at 73.81,0.762 h1.27 r315
  text "v1.0" at 108.81,0.762 h1.27 r315

## Silkscreen, mask and mechanical layers (free items; w line width, h text height)
Bottom Paste:
  rectangle: 0,0 140,140